# Altium PCB Flyback.PcbDoc
Units mil, origin at the board's own origin, x right, y up, seen from the top; angles counter-clockwise.
Board outline 3520.74 x 1950.91 mil, 2 copper layers (Top Layer, Bottom Layer), stack 65.792 mil thick; 53 components, 28 nets, 118 pads, 28 vias.
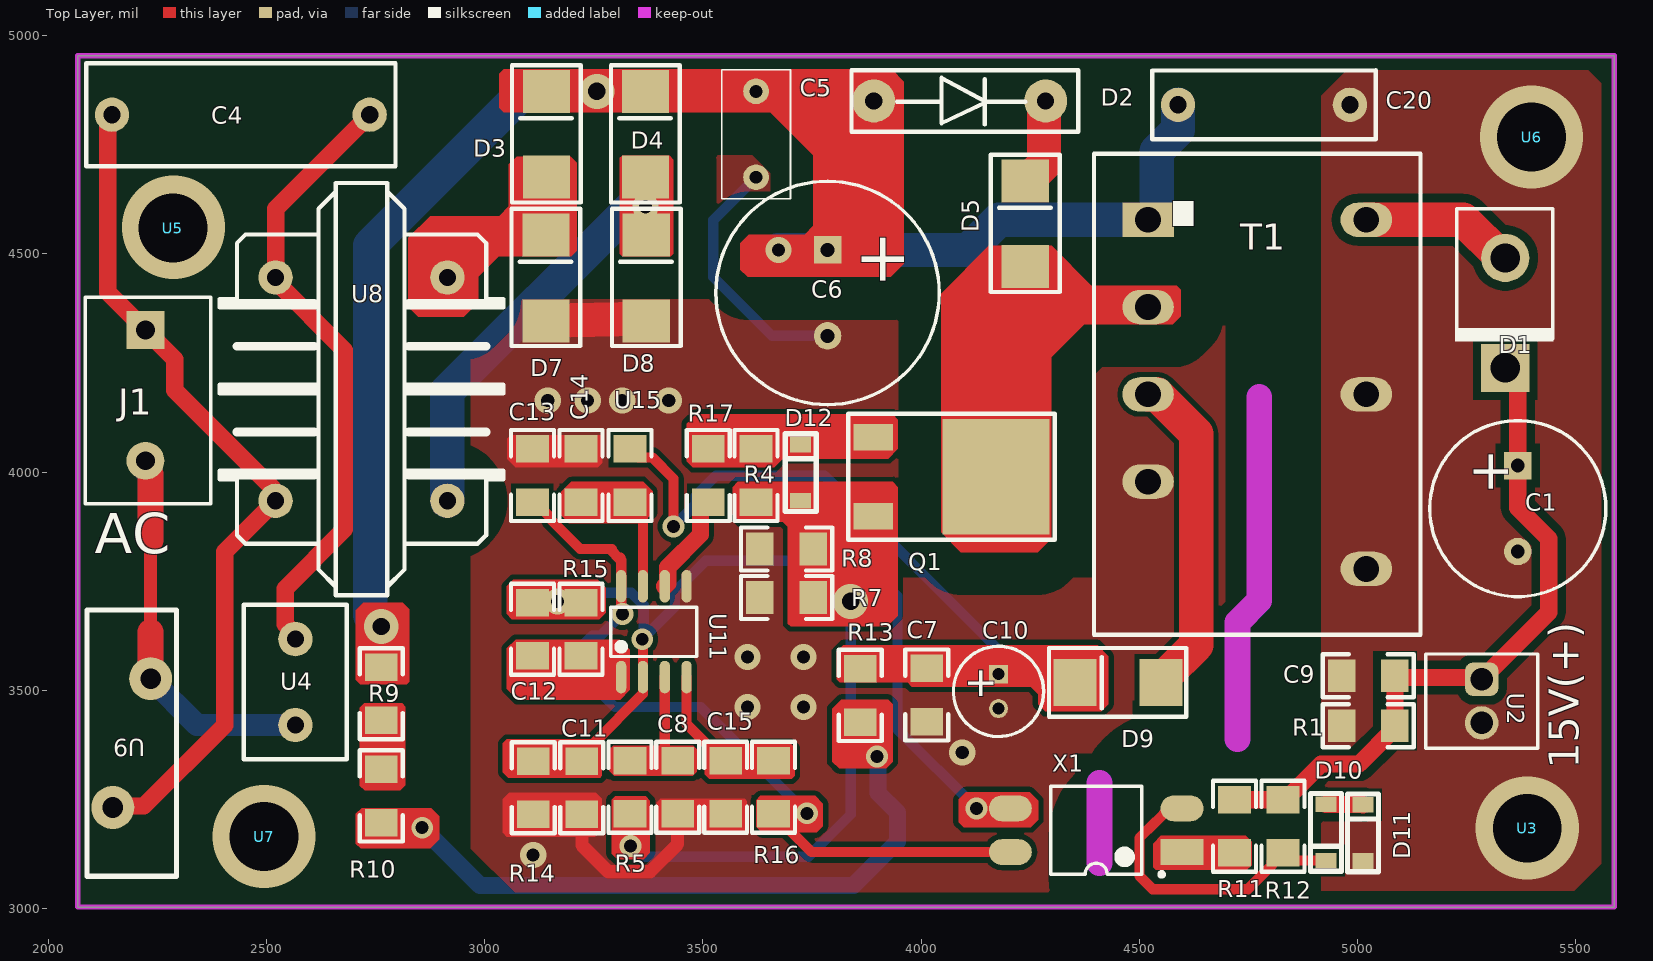
[diagram p0: Top Layer view]
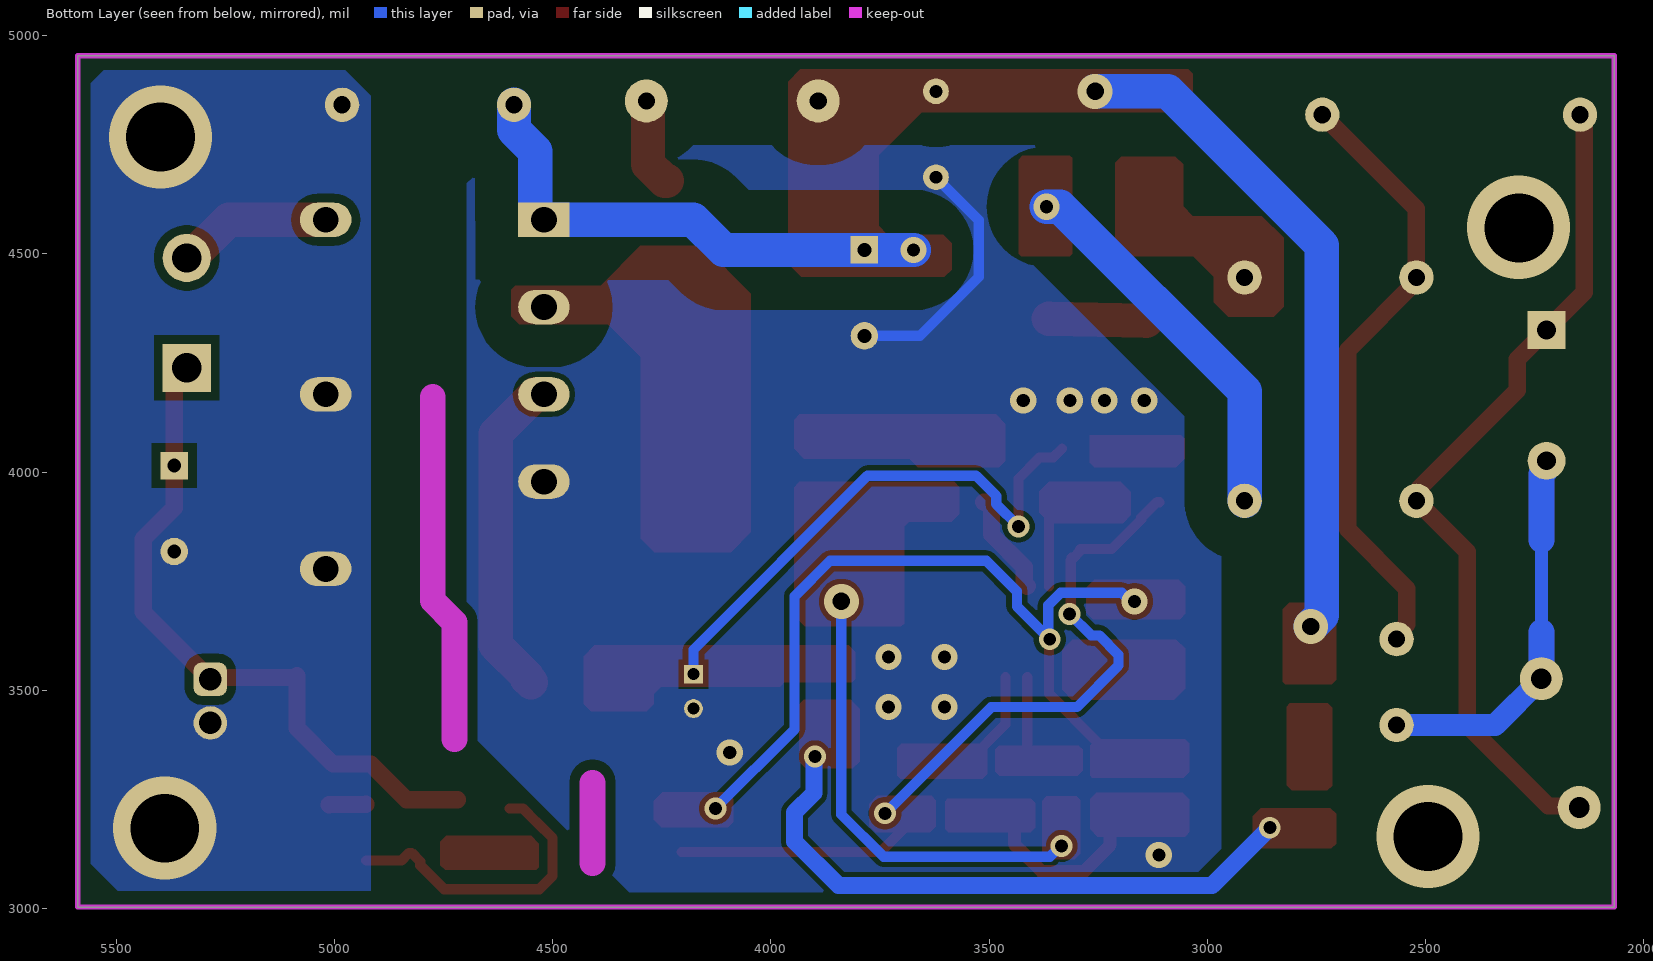
[diagram p1: Bottom Layer view, seen from below]
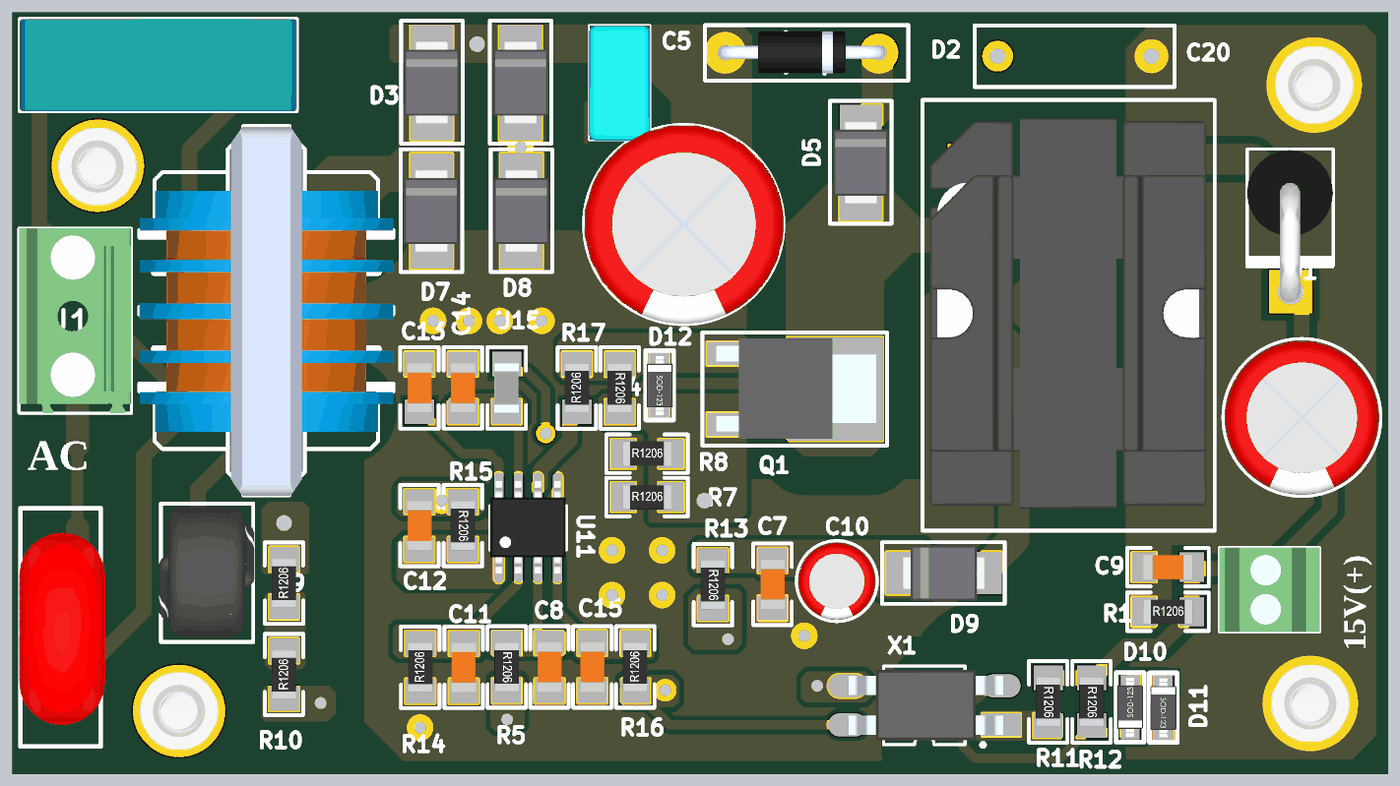
[diagram p2: 3D render of the assembled board from above, using the file's embedded part models]

## Layer stack, top to bottom
Top Solder: solder mask 0.4, Solder Resist, Dk 3.5
Top Layer: signal copper 1.4
Dielectric1: dielectric 62.9921, FR-4, Dk 4.8
Bottom Layer: signal copper 1.4
Bottom Solder: solder mask 0.4, Solder Resist, Dk 3.5

## Board outline
2067.33,3002.95 2067.33,4953.86 5588.07,4953.86 5588.07,3002.95

## Design rules (kind name [scope] priority, off if disabled: settings)
Clearance DCLinkDirenc [InNetClass('DCBaraDirenc') vs InNetClass('DCBaraDirenc')] p1: gap=39.37 ignorepadtopadclearanceinfootprint=FALSE
Clearance İzole-izole [InNetClass('izole') vs InNetClass('izole')] p2: gap=19.68 ignorepadtopadclearanceinfootprint=FALSE
Clearance YuksekGerilim [InNetClass('YG') vs InNetClass('YG')  OR InNetClass('AG')] p3: gap=98.43 ignorepadtopadclearanceinfootprint=FALSE
Clearance KeepOut [OnLayer('Keep-Out Layer')] p4: gap=23.62 ignorepadtopadclearanceinfootprint=FALSE
Clearance Izole [InNetClass('izole') vs not InNetClass('izole')] p5: gap=196.85 ignorepadtopadclearanceinfootprint=FALSE
Clearance Pad-Pad [(IsPad OR IsVia) vs (IsPad OR IsVia)] p6: gap=23.62 ignorepadtopadclearanceinfootprint=FALSE except(0: Arc-Hole Track-Hole SMDPad-Hole THPad-Hole Via-Hole Fill-Hole Poly-Hole Region-Hole Text-Hole)
Clearance NoNet [InNet('No Net')] p7: gap=23.62 ignorepadtopadclearanceinfootprint=FALSE except(0: Arc-Hole Track-Hole SMDPad-Hole THPad-Hole Via-Hole Fill-Hole Poly-Hole Region-Hole Text-Hole)
Clearance GenelClearance [All] p8: gap=11.81 ignorepadtopadclearanceinfootprint=FALSE except(0: Arc-Hole Track-Hole SMDPad-Hole THPad-Hole Via-Hole Fill-Hole Poly-Hole Region-Hole Text-Hole)
ComponentClearance [All] p1: gap=0 collisioncheckmode=3 verticalgap=0 showdistances=FALSE
Height [All] p1: minheight=0 maxheight=1771.65 prefheight=500
HoleSize [All] p1: absolutevalues=TRUE maxlimit=314.96 minlimit=1 maxpercent=80.000 minpercent=20.000
HoleToHoleClearance [All] p1: gap=0 allowstackedmicrovias=TRUE
MinimumSolderMaskSliver [All] p1: minsoldermaskwidth=0
PlaneConnect [All] p1: planeconnectstyle=Direct reliefexpansion=20 reliefentries=4 reliefconductorwidth=10 reliefairgap=10
PolygonConnect [All] p1: connectstyle=Direct reliefconductorwidth=10 reliefentries=4 polygonreliefangle="90 Angle" airgapwidth=10
RoutingVias [All] p1: holewidth=28 width=50 viastyle="Through Hole" minholewidth=28 minwidth=50 maxholewidth=28 maxwidth=50
SilkToSilkClearance [All] p1: silktosilkclearance=0
SilkToSolderMaskClearance [IsPad] p1: minsilkscreentomaskgap=0 clearancetoexposedcopper=TRUE
SolderMaskExpansion [All] p1: expansion=4 istentingtop=FALSE
Width [All] p1: maxlimit=236.22 minlimit=9.84 preferedwidth=10
22 further rules are at their usual default settings.

## Classes and differential pairs
net class DCBaraDirenc: D(+) FlybackCap(+) NetC7_2 NetR9_1 NetR10_1
net class izole: 15VKontrol GND NetC1_1 NetD1_1 NetD10_1 NetD10_2 NetR11_2
net class AG: 5V 15V E Gate IF Iolc NetC7_2 NetC12_2 NetC15_2 NetD9_1 NetD12_2 S1GATE SA1GATE vfb
net class YG: D(+) NetC4_1 NetC4_2 NetD2_2 NetD3_1 NetD4_1 NetD5_1 NetD8_1 NetD8_2 NetD8_4 NetJ1_2

## Components (designator, comment, footprint, x,y, rotation, side; value= is the part's Value field where it differs from the comment)
C1 "470uF 35V" CAPPRD500W60D1025H1750 5367.13,4014.76 r270 top
C4 "150nF 305VAC X2 MPX154K305E" "CFR F15 L18 B6 H12" 2145.67,4818.9 r0 top
C5 "100nF 1kV X7R" RCE7U2J333J5B1H03B 3621.55,4675.57 r90 top
C6 "22uF 400V" "22uF 400V" 3243.82,4808.94 r270 top
C7 "100nF 25V" 1206 4012.8,3489.17 r90 top
C8 "220pF 25V" 1206 3441.93,3277.56 r90 top
C9 "1uF 50V X7R" 1206 5024.38,3533.07 r0 top
C10 "47uF 25V" CAPPRD200W50D525H1250 4177.17,3536.74 r270 top
C11 "100nF 25V" 1206 3222.44,3276.57 r90 top
C12 "100nF 25V" 1206 3109.25,3639.52 r270 top
C13 "100nF 25V" 1206 3109.25,3992.13 r270 top
C14 "1uF 25V" 1206 3220.37,3992.13 r270 top
C15 "2.2nF 25V" 1206 3551.79,3277.56 r90 top
C20 "2.2nF 300Vac Y2" 4x13x9 4588.58,4841.54 r0 top
D1 "SB3200" "DO-201AD -Dik" 5336.61,4491.19 r270 top
D2 "P6KE200A" DO-15((DO-204AC) 3891.43,4850.24 r0 top
D3 "S2M" DO-214AA(SMB) 3141,4774 r90 top
D4 "S2M" DO-214AA(SMB) 3368,4774 r90 top
D5 "US1M-13-F" DO-214AA(SMB) 4238.43,4568.9 r90 top
D7 "S2M" DO-214AA(SMB) 3140,4445 r90 top
D8 "S2M" DO-214AA(SMB) 3370,4445 r90 top
D9 "ES2D" DO-214AA(SMB) 4451,3518 r180 top
D10 "8.2V Zener" SOD-123 4927.68,3238.62 r270 top
D11 "5V1 Zener" SOD-123 5012.68,3108.62 r90 top
D12 "18V Zener" SOD-123 3723.92,3934.32 r90 top
J1 "Header 2pin 7.62mm" "Header 2 Pin 7.62mm Vidalı" 2228.07,4176.97 r270 top
Q1 "NTD360N80S3Z" "DPAK IGBT" 4171.26,3989.17 r270 top
R1 "2.2k 1/4W %5" "R 1206" 5024.38,3418.9 r0 top
R4 "4.7k 1/4W" "R 1206" 3621.55,3991.91 r270 top
R5 "1k 1/4W" "R 1206" 3332.68,3277.56 r270 top
R7 "2.2R 1/4W" "R 1206" 3691.56,3712.57 r0 top
R8 "2.2R 1/4W" "R 1206" 3691.56,3823.57 r0 top
R9 "100k 1/4W" "R 1206" 2762.8,3492.13 r90 top
R10 "100k 1/4W" "R 1206" 2762.8,3257.87 r90 top
R11 "510R 1/4W %5" "R 1206" 4718.04,3188.23 r270 top
R12 "4.7k 1/4W %5" "R 1206" 4829.04,3188.23 r270 top
R13 "100k 1/4W" "R 1206" 3860.24,3488.19 r270 top
R14 "1k 1/4W" "R 1206" 3111.22,3276.57 r90 top
R15 "100k 1/4W" "R 1206" 3220.37,3639.52 r270 top
R16 "3.3k 1/4W" "R 1206" 3661.42,3277.56 r90 top
R17 "10R" "R 1206" 3512.09,3991.91 r90 top
T1 "SMPS Tr" "SMPS Tr3" 4520,4578 r0 top
U2 "Terminal Blok 2 Pin 2.54mm" "Header 2pin 2.54mm Vidalı" 5280.45,3527.2 r270 top
U3 "Spacer 10mm" "Spacer 10mm Sogutucu" 5391.73,3201.77 r0 top
U4 "NTC B57153S0100M000" "NTC B57153S0100" 2565.94,3417.28 r90 top
U5 "Spacer 10mm" "Spacer 10mm Sogutucu" 2288.39,4576.77 r0 top
U6 "Spacer 10mm" "Spacer 10mm Sogutucu" 5401.58,4785.43 r0 top
U7 "Spacer 10mm" "Spacer 10mm Sogutucu" 2497.05,3182.55 r0 top
U8 "39mH 0.7A" "EMC SMPS TDK" 2887.67,3864.06 r90 top
U9 "S14K300" Varistor630V 2190.94,3231.3 r90 top
U11 "UC3844" SOIC-OA8_L 3387.4,3634.67 r90 top
U15 "80R 100MHz" "1206 Bead" 3332.68,3992.13 r90 top
X1 "PC81710NIP1B" "PC817 SMD" 4401.04,3179.2 r180 top

## Footprints (in the part's own frame and the unit in brackets; to place one, negate y for a bottom-side part, rotate by r counter-clockwise, add the part's x,y. Pads: shape width x height; smd on the part's side, far side on the other; paste and mask are expansions set on the pad)
4x13x9 [mm] "4x13x9"
  round 2 hole 1: 1(0,0) 2(10,0)
  silkscreen extent -1.5,-2 11.5,2, body extent -1.5,-2 11.5,2, height 9
"22uF 400V" [mm] "400AX22MEFC12.5X16"
  rect 1.6x1.6 hole 0.8: 1(7.622,13.757)
  round 1.6 hole 0.8: 2(12.622,13.757)
  silkscreen extent 3.62,7.26 16.62,20.26, body extent 3.61,7.27 16.6,20.27, height 20.31
1206 [mm]
  rect 1.6x1.9 smd: 1(-1.55,0) 2(1.55,0)
  silkscreen extent -2.65,-1.25 2.65,1.25, body extent -1.6,-0.8 1.6,0.8, height 0.8
"1206 Bead" [mm] "1206 Bead"
  rect 1.6x1.9 smd: 1(-1.55,0) 2(1.55,0)
  silkscreen extent -2.65,-1.25 2.65,1.25, body extent -1.6,-0.77 1.6,0.83, height 1.3
CAPPRD200W50D525H1250 [mm]
  rect 1.1x1.1 hole 0.7: 1(0,0)
  round 1.1 hole 0.7: 2(2,0)
  silkscreen extent -1.62,-2.62 3.62,2.63, body extent -1.48,-2.5 3.51,2.5, height 11.31
CAPPRD500W60D1025H1750 [mm]
  rect 1.6x1.6 hole 0.8: 1(0,0)
  round 1.6 hole 0.8: 2(5,0)
  silkscreen extent -2.62,-5.13 7.62,5.13, body extent -2.49,-5 7.5,5, height 20.26
"CFR F15 L18 B6 H12" [mm]
  round 2 hole 1: 1(0,0) 2(15,0)
  silkscreen extent -1.5,-3 16.5,3, body extent -1.5,-3 16.5,3, height 12
DO-15((DO-204AC) [mm] "Diode, Axial; Body 9.5 x 5.6 mm (LxDia. max), Lead Dia. 1.32 mm (max)"
  round 2.5 hole 1: 1(0,0) 2(10,0)
  silkscreen extent -1.3,-1.8 11.9,1.8, body extent -0.45,-1.34 10.41,1.39, height 2.84
"DO-201AD -Dik" [mm] "Diode, Axial; Body 9.5 x 5.6 mm (LxDia. max), Lead Dia. 1.32 mm (max)"
  round 2.8 hole 1.7: 1(0.015,0.045)
  rect 2.8x2.8 hole 1.7: 2(6.412,0.045)
  silkscreen extent -2.86,-2.88 4.89,2.86, body extent -2.8,-2.8 7.09,2.8, height 15.69
DO-214AA(SMB) [mm]
  rect 2.5x2.743 smd: 1(-2.5,0) 2(2.5,0)
  silkscreen extent -3.97,-2 4.02,2, body extent -2.7,-1.8 2.7,1.8, height 2.27
"DPAK IGBT" [mm]
  rect 1.524x2.28 smd: 1(-2.3,-7.145) 3(2.3,-7.145)
  rect 6.74x6.23 smd: 2(0,0)
  silkscreen extent -3.67,-8.59 3.67,3.41, body extent -3.3,-7.67 3.24,2.72, height 2.49
"EMC SMPS TDK" [mm] "B82732R13MM"
  round 2 hole 1: 1(1.778,9.322) 2(14.778,9.322) 3(14.778,-0.678) 4(1.778,-0.678)
  silkscreen extent -3.72,-3.93 20.28,12.57, body extent -3.77,-3.93 20.23,12.57, height 23.6
"Header 2 Pin 7.62mm Vidalı" [mm]
  rect 2.2x2.2 hole 1.1: 1(-3.78,-0.143)
  round 2.2 hole 1.1: 2(3.84,-0.143)
  silkscreen extent -5.69,-3.64 6.34,3.66, body extent -5.69,-3.64 6.34,3.66, height 9.2
"Header 2pin 2.54mm Vidalı" [mm] "Header 2pin 2.54mm Vidalı"
  rrect50% 1.95x1.95 hole 1.3: 1(0.051,0.102)
  round 1.95 hole 1.3: 2(2.591,0.102)
  silkscreen extent -1.42,-3.15 4.06,3.35, body extent -1.42,-3.15 4.06,3.35, height 8.55
"NTC B57153S0100" [mm] "NTC B57153S0100"
  round 2 hole 1: 1(0.076,0) 2(5.076,0)
  silkscreen extent -1.92,-3 7.08,3, body extent -1.6,-3.07 6.89,3.13, height 13
"PC817 SMD" [mm] "DIP; 4 Leads; Row Spacing 7.62 mm; Pitch 2.54 mm"
  rect 2.5x1.5 smd: 1(-5,1.27)
  oval 2.5x1.5 smd: 2(-5,-1.27) 3(5,-1.27) 4(5,1.27)
  silkscreen extent -3.94,-2.55 2.65,2.69, body extent -5.13,-2.31 4.92,2.29, height 3.88
"R 1206" [mm]
  rect 1.6x1.9 smd: 1(-1.55,0) 2(1.55,0)
  silkscreen extent -2.65,-1.25 2.65,1.25, body extent -1.6,-0.8 1.6,0.8, height 0.85
RCE7U2J333J5B1H03B [mm]
  round 1.5 hole 0.75: 1(0,0) 2(5,0)
  silkscreen extent -1.25,-2 6.25,2, body extent -1.29,-1.99 6.21,2.01, height 9.75
"SMPS Tr3" [mm] "SMPS Tr3"
  rect 3x2 hole 1.5: 1(0,0)
  oval 3x2 hole 1.5: 2(0,-5.08) 3(0,-10.16) 4(0,-15.24) 8(12.7,-20.32) 8(12.7,-10.16) 10(12.7,0)
  silkscreen extent -3.15,-24.16 15.85,3.84, body extent -2.68,-22.73 15.32,2.67, height 32.35
SOD-123 [mm] "SOD-123"
  rect 0.91x1.22 smd: 1(0,0) 2(3.275,0)
  silkscreen extent -0.62,-0.9 3.9,0.9, body extent -0.3,-0.85 3.55,0.85, height 1.42
SOIC-OA8_L [mm] "SOIC, 8-Leads, Body 4.9x3.9mm, Pitch 1.27mm, IPC High Density"
  oval 1.9x0.6 smd: 1(-2.655,1.905) 2(-2.655,0.635) 3(-2.655,-0.635) 4(-2.655,-1.905) 5(2.629,-1.905) 6(2.629,-0.635) 7(2.629,0.635) 8(2.629,1.905)
  silkscreen extent -1.46,-2.5 1.41,2.5, body extent -2.99,-2.45 3.01,2.45, height 1.75
"Spacer 10mm Sogutucu" [mm] "10mm"
  rect 0x0 hole 4 unplated: ""(-0.075,-0.45)
  body extent -2.96,-2.95 2.81,2.05
Varistor630V [mm]
  round 2.5 hole 1.2: 1(0,1.1) 2(7.5,-1.1)
  silkscreen extent -4,-2.6 11.5,2.6, body extent -2.6,-2.9 9.9,2.7, height 16.25

## Part data
C1: library part "C 470uF 35V 1.76A 28mOhm", "35ZLH470MEFC10X16", LatestRevisionDate=17-Jul-2002, LatestRevisionNote="Re-released for DXP Platform.", PackageDescription="Radial Cap, Thru-Hole; 2 Leads; 0.3 in Pin Spacing", PackageReference=RAD-0.3, Published=8-Jun-2000, Publisher="Altium Limited"
C4: library part "Cap 150nF 305VAC X2", "1572-1789-ND", Capacitance=150nF, Insulation Resistance=30000MOhm, Operating Temperature="-40 to +105degC", Part Number=890273322005CS, Rated Voltage=250VDC, Rate of Voltage Rise=340V/us, ComponentLink1Description=Manufacturer, ComponentLink1URL=http://www.we-online.de, ComponentLink2Description=Datasheet, ComponentLink2URL=https://katalog.we-online.com/pbs/datasheet/890273322005CS.pdf, Dissipation Factor@1kHz=0.1%, Dissipation Factor@10kHz=0.1%, Dissipation Factor@100kHz=0.26%, Height=11mm, Length=10.5mm, Mounting Technology=THT, Packaging=Carton, Pitch=7.5mm, Published Date="August 2019", Publisher="Wurth Elektronik", Technical Reference=MPPP075154J250DCPP45004, Width=5mm
C5: library part "C Seramik 100nF 1kV X7R 5mm", "RDER73A104K5B1H03B", LatestRevisionDate=17-Jul-2002, LatestRevisionNote="Re-released for DXP Platform.", PackageDescription="Radial Cap, Thru-Hole; 2 Leads; 0.3 in Pin Spacing", PackageReference=RAD-0.3, Published=8-Jun-2000, Publisher="Altium Limited"
C6: library part "C 22uF 400V 537mArms", "860241378003", Manufacturer_Name=AVX, Manufacturer_Part_Number=TPSE107K020R0150, Mouser Part Number=581-TPSE107K020R0150, RS Part Number=1359911P, Allied_Number=70002020, Allied Price/Stock=http://www.alliedelec.com/avx-tpse107k020r0150/70002020/, Datasheet Link=http://datasheets.avx.com/TPS.pdf, Height=4.3mm, Mouser Price/Stock=https://www.mouser.com/Search/Refine.aspx?Keyword=581-TPSE107K020R0150, RS Price/Stock=http://uk.rs-online.com/web/p/products/1359911P
C7 C8 C11 C12 C13 C14 C15: library part "C 1206", "SMD 1206"
C9: library part "C 1206", "490-3908-2-ND"
C10: library part "C 47uF 25V 250mArms 400mOhm", "25YXJ47MTA5X11", ComponentLink1Description=http://www.rubycon.co.jp/en/catalog/e_pdfs/aluminum/e_px.pdf
C20: library part "Cap Y2 2.2nF MKP TDK", "B32021A3222", LatestRevisionDate=17-Jul-2002, LatestRevisionNote="Re-released for DXP Platform.", PackageDescription="Radial Cap, Thru-Hole; 2 Leads; 0.3 in Pin Spacing", PackageReference=RAD-0.3, Published=8-Jun-2000, Publisher="Altium Limited"
D1: library part "D MUR460", "DO-201AD"
D2: library part "TVS 200V DO-15", "497-13419-1-ND", ComponentLink1Description="Manufacturer Link", ComponentLink1URL=http://www.infineon.com/, ComponentLink2Description=Datasheet, ComponentLink2URL=http://www.infineon.com/upload/Document/cmc_upload/documents/009/363/bat17series.pdf, DatasheetVersion=Oct-1999, LatestRevisionDate=29-May-2009, LatestRevisionNote="IPC-7351 Footprint Added.", Note="Pin 2 is not connected and not drawn.", PackageDescription="3-Pin SOT-23 Package 0.95 mm Pitch, 2.5 mm Lead Span", PackageReference=SOT-23, PackageVersion=Sep-2001, Published=21-Mar-2003, Publisher="Altium Limited"
D3 D4 D7 D8: library part 1N4007, "DO-214AA(SMB)"
D5: library part ES2D, "US1M-FDICT-ND"
D9: "ES2DFSCT-ND"
D10: library part "Zener 1/4W", "SOD-123", ComponentLink1Description="Manufacturer Link", ComponentLink1URL=http://www.infineon.com/, ComponentLink2Description=Datasheet, ComponentLink2URL=http://www.infineon.com/upload/Document/cmc_upload/documents/009/363/bat17series.pdf, DatasheetVersion=Oct-1999, LatestRevisionDate=29-May-2009, LatestRevisionNote="IPC-7351 Footprint Added.", Note="Pin 2 is not connected and not drawn.", PackageDescription="3-Pin SOT-23 Package 0.95 mm Pitch, 2.5 mm Lead Span", PackageReference=SOT-23, PackageVersion=Sep-2001, Published=21-Mar-2003, Publisher="Altium Limited"
D11: library part "Zener 1W", "SOD-123", ComponentLink1Description="Manufacturer Link", ComponentLink1URL=http://www.infineon.com/, ComponentLink2Description=Datasheet, ComponentLink2URL=http://www.infineon.com/upload/Document/cmc_upload/documents/009/363/bat17series.pdf, DatasheetVersion=Oct-1999, LatestRevisionDate=29-May-2009, LatestRevisionNote="IPC-7351 Footprint Added.", Note="Pin 2 is not connected and not drawn.", PackageDescription="3-Pin SOT-23 Package 0.95 mm Pitch, 2.5 mm Lead Span", PackageReference=SOT-23, PackageVersion=Sep-2001, Published=21-Mar-2003, Publisher="Altium Limited"
D12: library part "Zener 0.5W", "SOD-123", ComponentLink1Description="Manufacturer Link", ComponentLink1URL=http://www.infineon.com/, ComponentLink2Description=Datasheet, ComponentLink2URL=http://www.infineon.com/upload/Document/cmc_upload/documents/009/363/bat17series.pdf, DatasheetVersion=Oct-1999, LatestRevisionDate=29-May-2009, LatestRevisionNote="IPC-7351 Footprint Added.", Note="Pin 2 is not connected and not drawn.", PackageDescription="3-Pin SOT-23 Package 0.95 mm Pitch, 2.5 mm Lead Span", PackageReference=SOT-23, PackageVersion=Sep-2001, Published=21-Mar-2003, Publisher="Altium Limited"
J1: library part "Header 2pin 7.62mm Vidalı", Operating Temperature="-40 to +105degC", Part Number=691218410002, Rated Current [UL]=30A, Working Voltage [UL]=300VAC, Application="Rising Cage Clamp", Compliance="Lead free / RoHS", ComponentLink1Description=Manufacturer, ComponentLink1URL=http://www.we-online.de, ComponentLink2Description=Datasheet, ComponentLink2URL=https://katalog.we-online.de/em/datasheet/691218410002.pdf, Modularity=Yes, Mounting Technology=THT, Packaging=Box, PCB/Cable/Panel=PCB, Pin Number=2, Pitch=7.62mm, Published Date="October 2019", Publisher="Wurth Elektronik", Type=Horizontal
Q1: library part "MOSFET DPAK", "DPAK", LatestRevisionDate=17-Jul-2002, LatestRevisionNote="Re-released for DXP Platform.", PackageDescription="TO, Flat Index; 3 In-Line, Axial Leads; Body Dia. 4.6mm; Lead Dia. 0.5 mm (max)", PackageReference=E3, PackageVersion=1995/1996, Published=8-Jun-2000, Publisher="Altium Limited"
R1: library part "R 1206", "311-2.2KERTR-ND"
R4: library part "1/4W Karbon", "SMD 1206"
R5: library part "R 1206", "SMD 1206/RC1206JR-07330RL/Digikey"
R7 R8 R14 R15 R16: library part "R 1206", "SMD 1206"
R9 R10 R13: library part "R 1206", "SMD 126"
R11: library part "R 1206", "311-100NLCT-ND"
R12: library part "R 1206", "311-4.7KERCT-ND"
R17: library part "R 1206", "SMD 1206  RESISTOR"
T1: library part "SMPS Tr EF25", LatestRevisionDate=17-Jul-2002, LatestRevisionNote="Re-released for DXP Platform.", PackageDescription="Transformer; 8 Leads", PackageReference=TRF_8, Published=25-Jan-2001, Publisher="Altium Limited", Sim Note="Enter the turns ratios, Core loss resistance, Magnetising Reactance, Leakage Reactances and Resistances referred to the primary side into the parameter fields."
U2: library part "Header 2 Pin 2.54mm Vidalı", "691210910002", LatestRevisionDate=17-Jul-2002, LatestRevisionNote="Re-released for DXP Platform.", Publisher="Altium Limited"
U3 U5 U6 U7: "10mm", LatestRevisionDate=17-Jul-2002, LatestRevisionNote="Re-released for DXP Platform.", Publisher="Altium Limited"
U4: library part "NTC B57153S0100", "495-2076-ND", LatestRevisionDate=17-Jul-2002, LatestRevisionNote="Re-released for DXP Platform.", PackageDescription="Axial Device, Thru-Hole; 2 Leads; 0.4 in Pin Spacing", PackageReference=AXIAL-0.4, Published=8-Jun-2000, Publisher="Altium Limited"
U8: library part "EMC SMPS TDK 39mH 0.7A", "B82732R2701B030"
U9: library part "Varistor  S14K175", "495-1442-ND", LatestRevisionDate=17-Jul-2002, LatestRevisionNote="Re-released for DXP Platform.", PackageDescription="Axial Device, Thru-Hole; 2 Leads; 0.4 in Pin Spacing", PackageReference=AXIAL-0.4, Published=8-Jun-2000, Publisher="Altium Limited"
U11: "SOIC8", PackageReference=SOIC-OA8
U15: library part "Bead 1206", "732-1629-1-ND"
X1: library part PC817, "1855-1014-1-ND"

## Via types
v1: diameter 60, hole 30, Top Layer to Bottom Layer, 13 vias
v2: diameter 50, hole 30, Top Layer to Bottom Layer, tented both sides, 4 vias
v3: diameter 236.22, hole 118.11, Top Layer to Bottom Layer, 4 vias
v4: diameter 50, hole 30, Top Layer to Bottom Layer, 3 vias
v5: diameter 80, hole 40, Top Layer to Bottom Layer, tented both sides, 3 vias
v6: diameter 50, hole 28, Top Layer to Bottom Layer, tented both sides, 1 vias

## Nets (pads, with @x,y where several pads share a name; then routed paths per layer and width w, separated by ;. In a path a pad name is that pad's centre, name@x,y a point inside that pad or via, vN(x,y) a via of type N, cw(c..) or ccw(c..) an arc to the next point about the centre after c; other vN are vias at no path point)
5V: C13.2 R16.1 U11.8 X1.4 | length 1812.3
  Top Layer w23.62: C13.2 3115.16,3931.1 3151.28,3894.98 3151.28,3891.32 3219.02,3823.57 3290.8,3823.57 3290.8,3819.15 3306.17,3803.79 3310.59,3803.79 ; 3312.4,3797.55 3312.4,3677.64 v4(3315.28,3674.76) ; R16.1 3748.75,3129.2 X1.4
  Bottom Layer w23.62: v4(3315.28,3674.76) 3266.12,3625.59 3247.47,3625.59 3203.35,3581.47 3203.35,3556.55 3298.43,3461.47 3494.73,3461.47 v4(3738.2,3218)
15V: C14.2 U11.7 U15.1 | length 208.7
  Top Layer w23.62: U15.1 3338.58,3931.1 3362.4,3907.28 U11.7
15VKontrol: C1.1 C9.2 D1.2 R1.2 R11.1 R12.1 U2.1 | length 1576
  Top Layer w39.37: R11.1 R12.1 4834.95,3249.25 4916.82,3331.12 5003.53,3331.12 5085.4,3413 R1.2 C9.2 5089.34,3529.14 5280.51,3529.14 U2.1 5437.99,3678.74 5437.99,3847.27 5367.13,3918.13 5367.13,4209.99 D1.2
D(+): C5.2 C6.1 C20.1 D2.1 D3.2 D4.2 R9.2 T1.1 | length 2728.9
  Bottom Layer w78.74: v5(2762.8,3646.1) 2762.8,3646.44 2737.2,3672.04 2737.2,4519.25 3090.38,4872.43 v5(3256.8,4872.43) ; v1(3672.85,4508.86) C6.1 4108.3,4508.86 4177.44,4578 T1.1 4539.69,4578 4539.69,4735.48 4588.58,4784.38 C20.1
E: C5.1 C6.2 C7.1 C8.1 C10.2 C11.1 C13.1 C14.1 C15.1 D7.1 D8.1 R7.1 R8.1 R14.1 T1.4 U11.5 | length 1220.4
  Top Layer w30: C11.1 3222.44,3144.96 3283.3,3084.1 3378.5,3084.1 3441.93,3147.53 C8.1
  Top Layer w80: D7.1 D8.1@3362.3,4351.21
  Bottom Layer w23.62: C5.1 3523.24,4577.27 3523.24,4446.89 3658.12,4312.01 C6.2
  other v1: 3110.9,3122.2 4094.05,3357.28 3601.9,3461.47 3730.1,3461.47 3601.9,3576.1 3730.1,3576.1 3144.2,4163.8 3235.77,4163.8 3314.82,4163.8 3421.62,4163.8
Gate: R17.1 U11.6 | length 237.4
  Top Layer w39.37: U11.6 3419.09,3744.88 3419.09,3781.72 3494.37,3857 3494.37,3919.07 3506.18,3930.88 R17.1
GND: C1.2 C9.1 C20.2 D11.1 R1.1 T1.8 U2.2 U3. U6.
  other v3: 5388.78,3184.06 5398.62,4767.72
IF: C8.2 R5.1 U11.3 | length 207.3
  Top Layer w23.62: U11.3 3412.4,3362.2 3436.02,3338.58 C8.2
Iolc: D12.1 Q1.3 R4.2 R5.2 R7.2 R8.2 | length 1043.2
  Bottom Layer w23.62: v2(3333.66,3143.2) 3335.89,3143.2 3360.69,3118.4 3741.4,3118.4 3838.3,3215.3 v5(3838.3,3703.5)
NetC4_1: C4.1 J1.1 U8.1 U9.1 | length 1944.6
  Top Layer w40: C4.1 2145.67,4808.41 2136.5,4799.24 2136.5,4411.73 2289.43,4258.8 2289.43,4187.52 2513.26,3963.7 2513.26,3941.47 U8.1 2403.91,3817.29 2403.91,3420.01 2218.64,3234.74 2151.08,3234.74 U9.1
NetC4_2: C4.2 U4.2 U8.2 | length 1422.6
  Top Layer w40: U4.2 2565.94,3627.61 2542.33,3651.22 2542.33,3732.56 2678.46,3868.69 2678.46,4279.21 2520.67,4437.01 U8.2 2520.67,4603.35 C4.2
NetC7_2: C7.2 C10.1 D9.2 R13.1 U15.2 | length 1262.3
  Top Layer w23.62: U15.2 3352.36,4033.46 3383.84,4033.46 3432.4,3984.9 v4(3432.4,3875.39)
  Bottom Layer w23.62: v4(3432.4,3875.39) 3483.56,3926.55 3483.56,3945.2 3529.67,3991.31 3778.59,3991.31 4177.17,3592.73 C10.1
NetC12_2: C12.2 R15.2 U11.1
NetC15_2: C15.2 R16.2 U11.4 | length 232.1
  Top Layer w23.62: U11.4 3462.4,3422.07 3545.89,3338.58 C15.2
NetD1_1: D1.1 T1.10 | length 354.6
  Top Layer w78.74: T1.10 5242.46,4578 5329.86,4490.6 D1.1
NetD2_2: D2.2 D5.2 | length 205.1
  Top Layer w78.74: D5.2 4243.22,4667.32 4281.37,4705.47 4281.37,4846.47 D2.2
NetD3_1: D3.1 D7.2 U8.3
NetD4_1: D4.1 D8.2 U8.4 | length 879.8
  Bottom Layer w78.74: U8.4 2914.37,4185.03 3337.34,4608 v1(3368,4608)
NetD5_1: D5.1 Q1.2 T1.2
NetD9_1: D9.1 T1.3 | length 750.7
  Top Layer w78.74: T1.3 4539.69,4178 4630.24,4087.45 4630.24,3603.59 4559.27,3532.63 4559.27,3527.84 D9.1
NetD10_1: D10.1 D11.2 | length 85.4
  Top Layer w39.37: D10.1 4928.22,3238.09 5012.15,3238.09 D11.2
NetD10_2: D10.2 R12.2 X1.2 | length 699
  Top Layer w23.62: X1.2 4568.62,3229.2 4536.91,3197.5 4536.25,3197.5 4500.1,3161.35 4500.1,3075 4530.81,3044.29 4748.57,3044.29 4803.45,3099.17 4803.45,3107.52 4823.14,3127.2 R12.2 4846.56,3109.68 D10.2
NetD12_2: D12.2 Q1.1 R4.1 R17.2 | length 16.2
  Top Layer w39.37: R4.1 cw(c3631.88,4052.93) R4.1@3631.88,4063.25
NetJ1_2: J1.2 U4.1 U9.2 | length 1365.1
  Top Layer w30: 2234.25,3632.95 2234.25,3844.29
  Top Layer w50: J1.2 J1.2@2228.35,4019.88 ; U9.2@2228.35,3532.48 U9.2
  Top Layer w60: U9.2 2234.25,3632.95 ; 2234.25,3844.29 J1.2@2234.25,3995.16
  Bottom Layer w30: 2234.25,3632.95 2234.25,3844.29
  Bottom Layer w50: U9.2 2340.55,3420.28 U4.1
  Bottom Layer w60: J1.2 2227.53,4020.7 2227.53,4001.88 2234.25,3995.16 2234.25,3844.29 ; U9.2 2234.25,3632.95
NetR9_1: R9.1 R10.2
NetR10_1: R10.1 R13.2 | length 1399.7
  Bottom Layer w39.37: v2(2856.5,3185) 2988.7,3052.8 3844.9,3052.8 3945.5,3153.4 3945.5,3220.18 3900.93,3264.75 3900.93,3346.37 v2(3898.9,3348.4)
NetR11_2: R11.2 X1.1
vfb: C11.2 C12.1 R14.2 R15.1 U11.2 X1.3 | length 1908.4
  Top Layer w23.62: C11.2 3228.35,3337.6 3248.03,3357.28 3248.03,3377.53 3362.4,3491.89 U11.2 3362.4,3615.41 v6(3360.87,3616.94)
  Bottom Layer w23.62: v1(3166.38,3703.5) 3176.23,3703.5 3196.11,3723.38 3335.42,3723.38 3363.91,3694.9 v6@3363.91,3619.98 ; v6(3360.87,3616.94) v6@3363.91,3619.98 ; v2(4127,3229.2) 3945.5,3410.7 3945.5,3715.5 3864.3,3796.7 3505.99,3796.7 3435.95,3726.66 3435.95,3692.03 v6@3363.91,3619.98
pads on no net: U5. U7.
copper on no net:
  other v3: 2494.09,3164.83 2286.42,4561.02

## Polygon pours and split planes (outlines as drawn)
E on Top Layer "E_L01_P002" (solid, remove dead copper, pour order 2): 2968.3,4685.85 3030.85,4748.4 4609.3,4748.4 4696.3,4661.4 4696.3,3408.7 4324.9,3037.3 3068.1,3037.3 2968.3,3137.1
GND on Top Layer "GND_L01_P003" (solid, remove dead copper, pour order 3): 4916.82,4862.22 4975.4,4920.8 5528,4920.8 5558.2,4890.6 5558.2,3102.9 5496.2,3040.9 4916.82,3040.9
E on Bottom Layer "E_L02_P001" (solid, remove dead copper, pour order 1): 2968.3,4685.85 3030.85,4748.4 4609.3,4748.4 4696.3,4661.4 4696.3,3408.7 4324.9,3037.3 3068.1,3037.3 2968.3,3137.1
GND on Bottom Layer "GND_L02_P000" (solid, remove dead copper, pour order 0): 4916.82,4862.22 4975.4,4920.8 5528,4920.8 5558.2,4890.6 5558.2,3102.9 5496.2,3040.9 4916.82,3040.9

## Keep-outs
Keep-Out Layer:
  lines w11.81: 2067.33,3002.95 5588.07,3002.95 5588.07,4953.86 2067.33,4953.86 2067.33,3002.95
  lines w59.06: 4408.54,3103.75 4408.54,3288.23 ; 4725,3387.5 4725,3449 ; 4725,3442.16 4725,3656 4774.5,3705.5 4774.5,4172

## Other copper
Top Layer:
  region net NetR11_2: 4531.6,3148.3 4549.3,3166 4744,3166 4757.1,3152.9 4757.1,3099.1 4746.2,3088.2 4537.8,3088.2 4531.6,3094.4
  region net NetD5_1: 4155.1,4518 4298.7,4518 4389.6,4427.1 4585.7,4427.1 4594.8,4418 4594.8,4356.6 4576.7,4338.5 4373.7,4338.5 4297.7,4262.5 4297.7,3847.2 4267,3816.5 4091.1,3816.5 4046.1,3861.5 4046.1,4409
  region net D(+): 3032.9,4912.2 3032.9,4835.3 3043.92,4824.28 3654.32,4824.28 3752.58,4726.02 3752.58,4563.98 3732.9,4544.3 3605.1,4544.3 3585.3,4524.5 3585.3,4464.1 3602.4,4447 3752.58,4447 3930.5,4447 3960.5,4477 3960.5,4894.7 3932.5,4922.7 3043.4,4922.7
  region net NetC7_2: 3806.6,3525.21 3813.81,3518 3968.8,3518 3978.6,3508.2 4250.9,3508.2 4268,3491.1 4268,3468.2 4284.2,3452 4413.1,3452 4428.9,3467.8 4428.9,3578.3 4404.1,3603.1 3821.84,3603.1 3806.6,3587.87
  region net 5V: 3631.3,3257.72 3757.35,3257.72 3774.7,3240.37 3774.7,3188.1 3760.61,3174.01 3635.07,3174.01 3621.55,3187.53 3621.55,3247.97
  region net NetD12_2: 3462.4,4111.22 3483.38,4132.2 3934.6,4132.2 3946.7,4120.1 3946.7,4052.9 3924.4,4030.6 3682.7,4030.6 3663,4010.9 3476.55,4010.9 3462.4,4025.05
  region net NetD4_1: 3314.82,4724.82 3423.33,4724.82 3432.4,4715.75 3432.4,4500.65 3426.15,4494.4 3315.28,4494.4 3309.7,4499.99 3309.7,4719.7
  region net NetD3_1: 3198.3,4494.4 3210.8,4506.9 3210.8,4709.1 3197.5,4722.4 3072.7,4722.4 3055.1,4704.8 3055.1,4608.7 3032.9,4586.5 2874.8,4586.5 2824.8,4536.5 2824.8,4378.4 2847.2,4356 2951.9,4356 2984.7,4388.8 2984.7,4447 3032.1,4494.4
  region net Iolc: 3694.3,3652.91 3701.11,3646.1 3922.5,3646.1 3946.7,3670.3 3946.7,3931.33 3946.7,3965.6 3934.6,3977.7 3580.1,3977.7 3567.9,3965.5 3567.9,3903.3 3585.3,3885.9 3682.7,3885.9 3694.3,3874.3
  region net Iolc: 3290.8,3248.48 3299.27,3256.95 3368.38,3256.95 3378.5,3246.83 3378.5,3127.3 3364,3112.8 3303,3112.8 3290.8,3125
  region net NetR10_1: 2704.5,3216.5 2718.1,3230.1 2876.8,3230.1 2895.6,3211.3 2895.6,3158.4 2874.9,3137.7 2715.5,3137.7 2704.5,3148.7 2704.5,3216.54
  region net vfb: 4085.8,3250.2 4102.3,3266.7 4248.5,3266.7 4268,3247.2 4268,3203.3 4250.9,3186.2 4097.5,3186.2 4085.8,3197.9
  region net NetC12_2: 3070.5,3616.25 3309.7,3616.25 3332.68,3593.27 3332.68,3500.98 3310.05,3478.35 3075.15,3478.35 3050,3503.5 3050,3553.15 3050,3595.75
  region net vfb: 3050,3738.3 3065.2,3753.5 3258.4,3753.5 3277,3734.9 3277,3677.1 3262.8,3662.9 3062.3,3662.9 3050,3675.2
  region net IF: 3293.95,3373.35 3477.35,3373.35 3486.15,3364.55 3486.15,3313.65 3476.55,3304.05 3296.55,3304.05 3285.05,3315.55 3285.05,3364.45
  region net NetC15_2: 3517.22,3377.5 3701.11,3377.5 3710.67,3367.95 3710.67,3304.05 3703.77,3297.15 3514.17,3297.15 3504.17,3307.15 3504.17,3364.45
  region net E: 3403.2,3251.3 3595.4,3251.3 3600.8,3245.9 3600.8,3182 3593.9,3175.1 3404.3,3175.1 3394.3,3185.1 3394.3,3242.4
  region net E: 3056.43,3265.23 3254.8,3265.23 3268.4,3251.63 3268.4,3181.45 3251.78,3164.83 3050.58,3164.83 3041.4,3174.01 3041.4,3250.2
  region net vfb: 3050.58,3387.28 3254.8,3387.28 3268.4,3373.68 3268.4,3303.5 3264.1,3299.2 3053.8,3299.2 3041.4,3311.6 3041.4,3378.1
  region net 15V: 3174.9,3954.8 3197.8,3977.7 3362.9,3977.7 3384.5,3956.1 3384.5,3906.2 3361.5,3883.2 3192.8,3883.2 3174.9,3901.1
  region net E: 3051.3,4075.9 3060,4084.6 3268.7,4084.6 3268.7,4021.2 3258.4,4010.9 3071,4010.9 3051.3,4030.6
  region net D(+): 2704.5,3683 2722.04,3700.54 2812.26,3700.54 2826.7,3686.1 2826.7,3519.8 2820.6,3513.7 2714.5,3513.7 2704.5,3523.7
  region net NetR10_1: 3796.26,3457.68 3816.93,3478.35 3924.4,3478.35 3934.6,3468.15 3934.6,3335.8 3919.73,3320.93 3812.01,3320.93 3796.26,3336.68
  region net NetR9_1: 2713.58,3459.65 2724.04,3470.1 2810.41,3470.1 2817.91,3462.6 2817.91,3282.48 2806.1,3270.67 2724.41,3270.67 2713.58,3281.5 2713.58,3459.16

## Silkscreen, mask and mechanical layers (free items; w line width, h text height)
Top Overlay:
  text "AC" at 2106.3,3782.48 h157.48
  text "15V(+)" at 5529.53,3319.88 h118.11 r90

## Text inside footprints (layer, text, board x,y; h text height)
C1: Top Overlay "+" at 5235.13,4053.76 h157.48 r270
C6: Top Overlay "+" at 3826.5,4553.03 h196.85 r270
C10: Top Overlay "+" at 4085.17,3554.74 h118.11 r270